# Altium PCB GEM_AFE_128.PcbDoc (part 8 of 18) (continued)
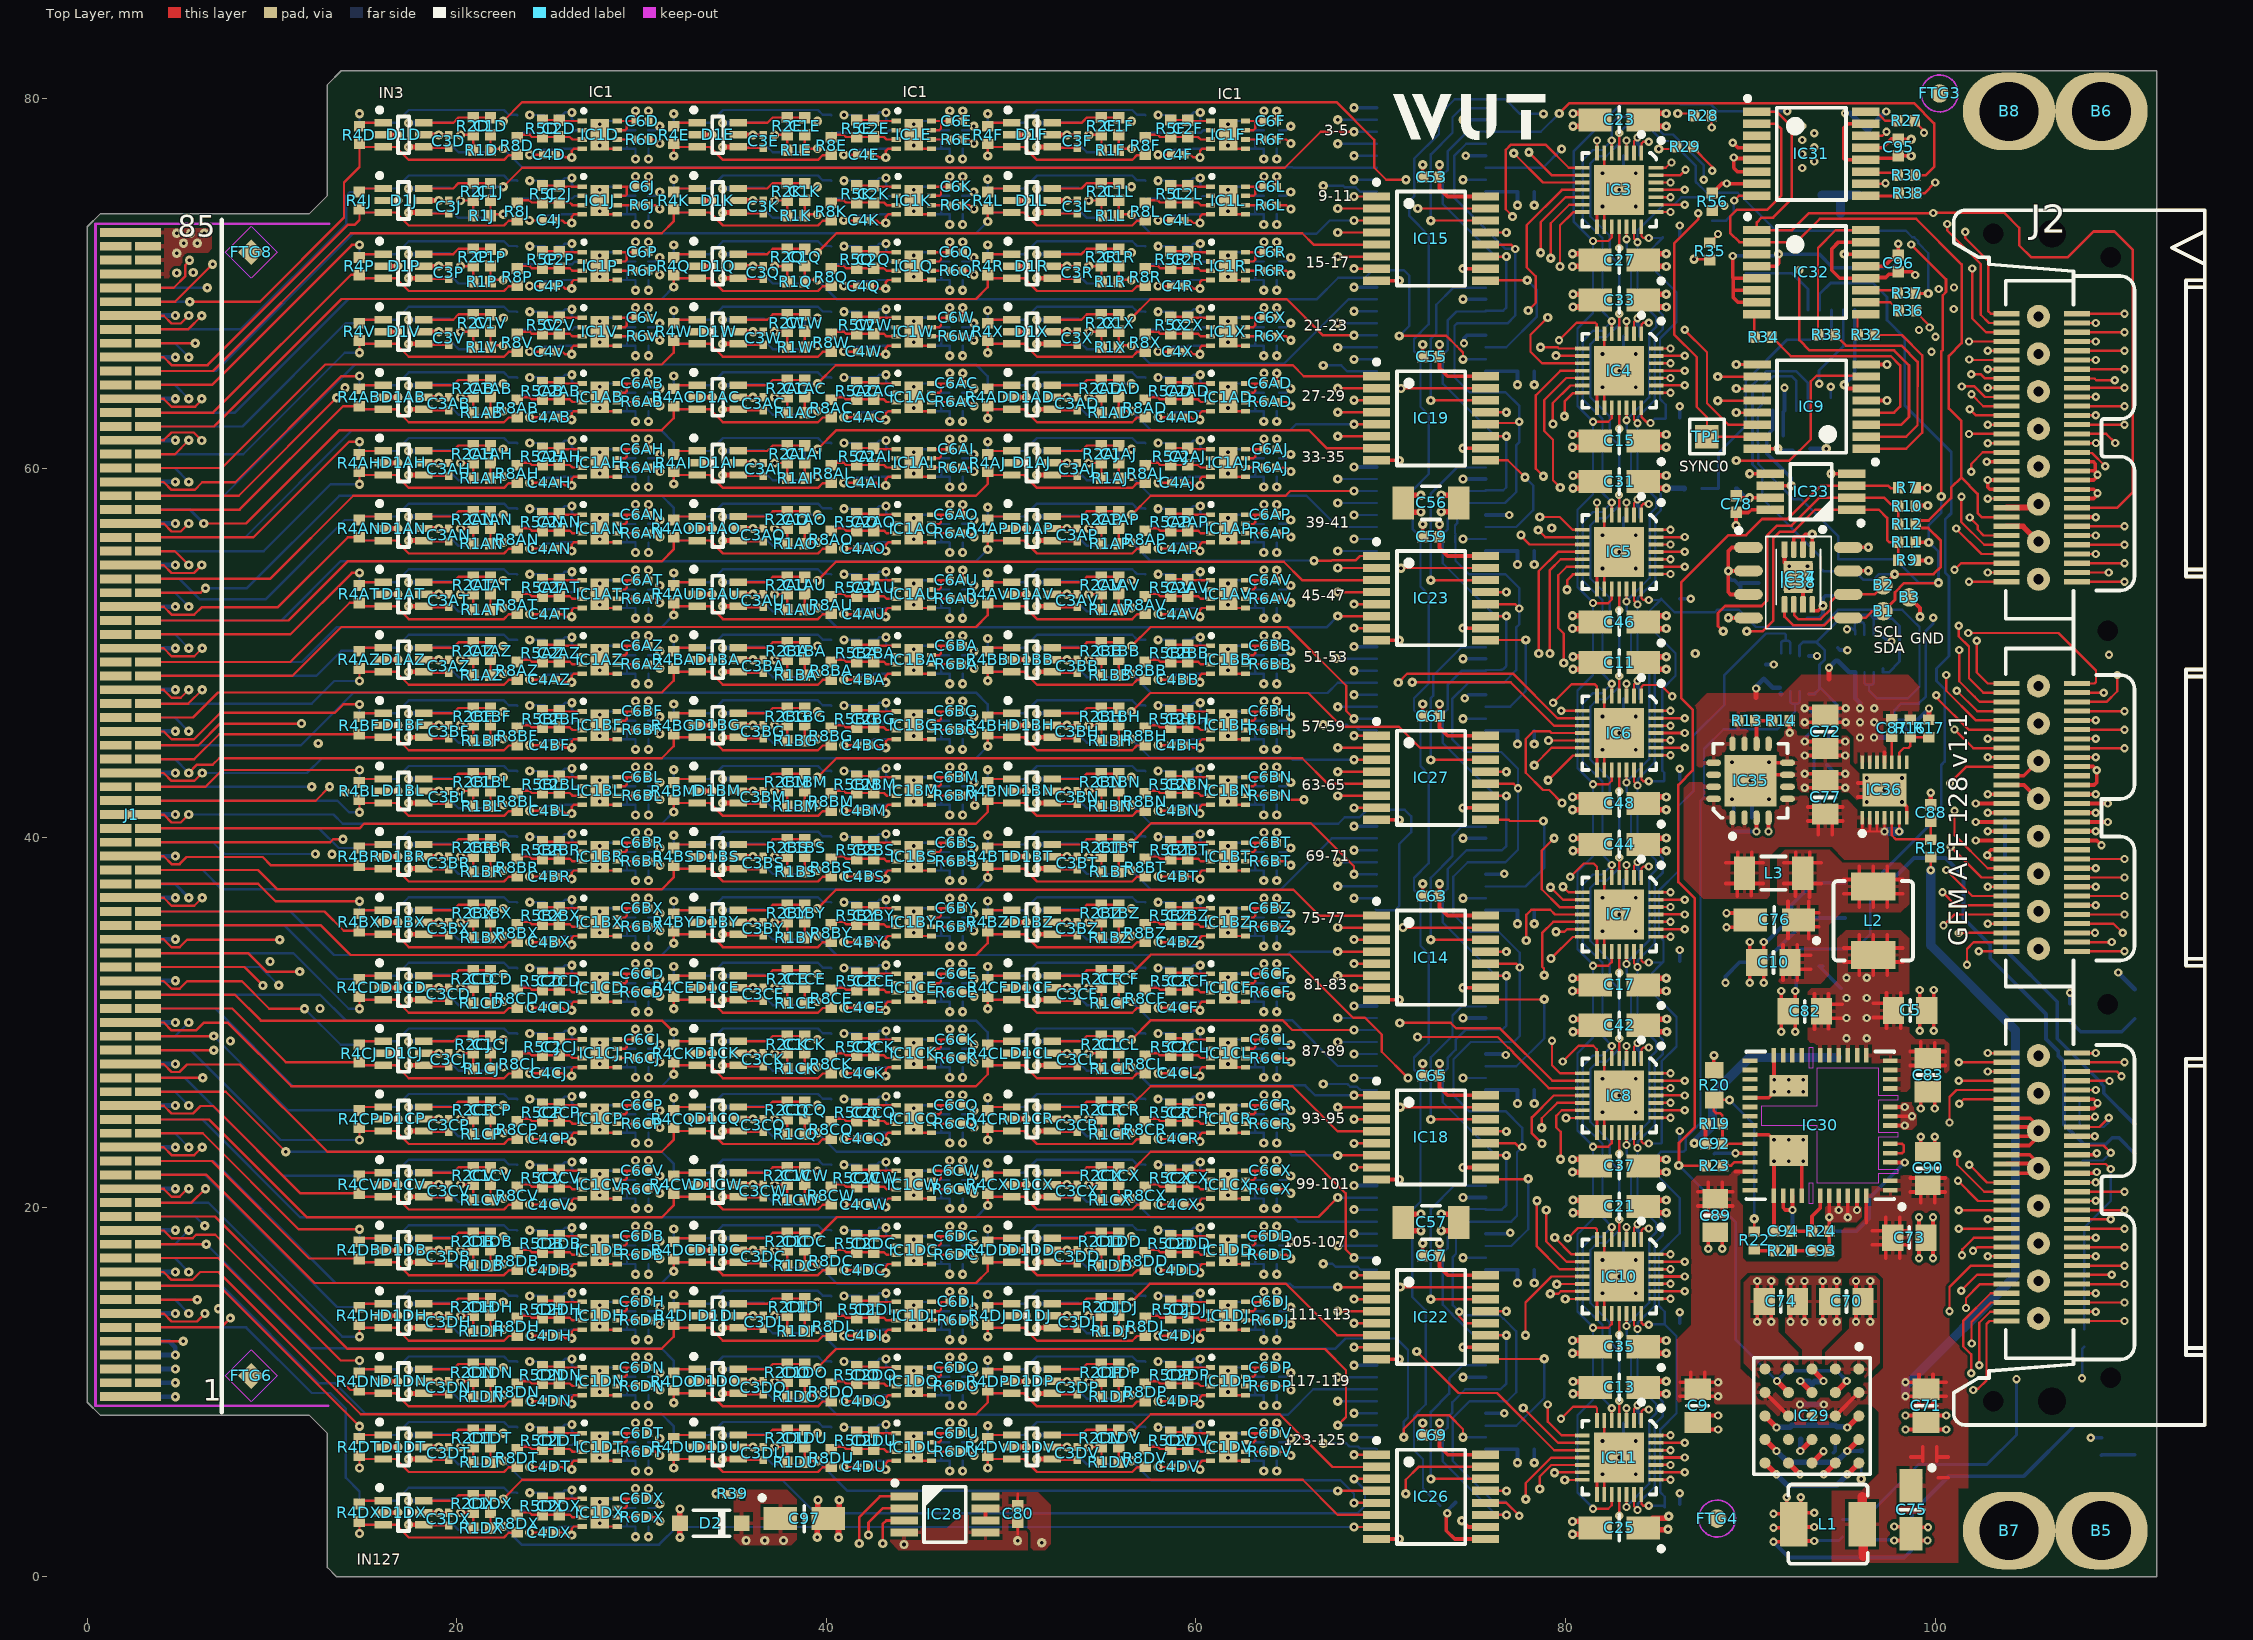
[diagram p0: Top Layer view]
## Nets (pads, with @x,y where several pads share a name; then routed paths per layer and width w, separated by ;. In a path a pad name is that pad's centre, name@x,y a point inside that pad or via, vN(x,y) a via of type N, cw(c..) or ccw(c..) an arc to the next point about the centre after c; other vN are vias at no path point) (continued)
  Top Layer w0.14: IC11.15@81.7,4.453 IC11.29@81.7,5.545 ; IC10.15@81.7,14.249 IC10.29@81.7,15.341 ; IC8.15@81.7,24.045 IC8.29@81.7,25.137 ; IC7.15@81.7,33.841 IC7.29@81.7,34.933 ; IC6.15@81.7,43.658 IC6.29@81.7,44.75 ; IC5.15@81.7,53.458 IC5.29@81.7,54.55 ; IC3.15@81.7,73.05 IC3.29@81.7,74.142 ; IC4.15@81.702,63.265 IC4.29@81.702,64.357 ; IC11.16@82.1,4.453 IC11.29@82.1,5.545 ; IC11.29@82.1,7.361 IC11.6@82.1,8.453 ; IC10.16@82.1,14.249 IC10.29@82.1,15.341 ; IC10.29@82.1,17.157 IC10.6@82.1,18.249 ; IC8.16@82.1,24.045 IC8.29@82.1,25.137 ; IC8.29@82.1,26.953 IC8.6@82.1,28.045 ; IC7.16@82.1,33.841 IC7.29@82.1,34.933 ; IC7.29@82.1,36.749 IC7.6@82.1,37.841 ; IC6.16@82.1,43.658 IC6.29@82.1,44.75 ; IC6.29@82.1,46.566 IC6.6@82.1,47.658 ; IC5.16@82.1,53.458 IC5.29@82.1,54.55 ; IC5.29@82.1,56.366 IC5.6@82.1,57.458 ; IC3.16@82.1,73.05 IC3.29@82.1,74.142 ; IC3.29@82.1,75.958 IC3.6@82.1,77.05 ; IC4.16@82.102,63.265 IC4.29@82.102,64.357 ; IC4.29@82.102,66.173 IC4.6@82.102,67.265
  Top Layer w0.2: IC22.8@69.773,11.777 v1(70.998,11.777) ; IC18.8@69.773,21.505 v1(70.998,21.505) ; IC14.8@69.773,31.232 v1(70.998,31.232) ; IC27.8@69.773,40.959 v1(70.998,40.959) ; IC23.8@69.773,50.686 v1(70.998,50.686) ; IC19.8@69.773,60.414 v1(70.998,60.414) ; IC15.8@69.773,70.141 v1(70.998,70.141) ; IC26.8@69.775,2.05 v1(71,2.05) ; C67.1@72.273,17.377 v1(72.273,18.052) ; C65.1@72.273,27.104 v1(72.273,27.779) ; C63.1@72.273,36.832 v1(72.273,37.507) ; C61.1@72.273,46.559 v1(72.273,47.234) ; C59.1@72.273,56.286 v1(72.273,56.961) ; C55.1@72.273,66.014 v1(72.273,66.689) ; C53.1@72.273,75.741 v1(72.273,76.416) ; C69.1@72.275,7.65 v1(72.275,8.325) ; C9.1@87.479,7.97 v2(88.254,7.97) ; C9.1@87.479,8.73 v2(88.254,8.73) ; v2(87.72,17.746) C89.1@87.72,18.521 ; R20.1@88.023,27.513 88.023,28.211 v1(88.028,28.217) ; v2(88.48,17.746) C89.1@88.48,18.521 ; v2(88.709,35.156) C76.2@89.484,35.156 ; v2(88.709,35.916) C76.2@89.484,35.916 ; v1@88.815,51.887 IC38.4@89.513,51.887 ; v2(89.048,71.469) 89.048,70.298 89.075,70.271 ; 89.075,69.637 89.087,69.625 IC32.6@90.35,69.625 ; C78.2@89.233,58.496 89.336,58.392 v1(89.959,58.392) IC33.7@91.083,58.392 ; v1(89.959,59.692) IC33.5@91.083,59.692 ; v2(89.97,32.146) C10.1@89.97,32.921 ; C10.1@89.97,33.579 v2(89.97,34.354) ; IC30.35@89.975,23.925 90.997,23.925 IC30.53@91.136,23.786 ; IC30.31@89.975,25.925 90.997,25.925 IC30.54@91.136,26.064 ; IC32.7@90.35,68.975 89.325,68.975 89.075,69.225 89.075,70.271 ; IC32.5@90.35,70.275 90.346,70.271 89.075,70.271 ; IC31.6@90.35,76.025 89.316,76.025 89.1,76.241 v2(89.1,76.8) 89.148,76.752 90.273,76.752 IC31.5@90.35,76.675 ; v2(90.73,32.146) C10.1@90.73,32.921 ; C10.1@90.73,33.579 v2(90.73,34.354) ; IC35.17@91.265,43.402 IC35.7@92.008,43.402 ; IC35.17@91.265,44.052 IC35.8@92.008,44.052 ; C94.1@91.275,18.7 IC30.42@91.275,20.625 IC30.53@91.275,22.481 ; IC30.54@91.275,26.899 IC30.26@91.275,28.225 ; v2(91.67,29.496) C82.1@91.67,30.271 ; C82.1@91.67,30.929 v2(91.67,31.704) ; IC34.4@91.848,55.599 91.848,54.874 IC37.9@92.162,54.56 ; v2(92.17,13.796) C74.1@92.17,14.571 ; C74.1@92.17,15.229 v2(92.17,16.004) ; v2(92.43,29.496) C82.1@92.43,30.271 ; C82.1@92.43,30.929 v2(92.43,31.704) ; IC37.9@92.598,54.099 92.848,53.849 IC34.7@92.848,52.599 ; IC30.45@92.775,20.625 92.775,22.225 ; v2(92.93,13.796) C74.1@92.93,14.571 ; C74.1@92.93,15.229 v2(92.93,16.004) ; v2(92.946,42.695) C77.1@93.721,42.695 ; v2(92.946,43.455) C77.1@93.721,43.455 ; v2(92.946,44.445) C72.1@93.721,44.445 ; v2(92.946,45.205) C72.1@93.721,45.205 ; v2(93.92,13.796) C70.1@93.92,14.571 ; C70.1@93.92,15.229 v2(93.92,16.004) ; v1(94.359,59.692) IC33.4@95.483,59.692 ; C77.1@94.379,42.695 v2(95.129,42.695) v2@95.154,42.695 ; C77.1@94.379,43.455 v2(95.129,43.455) v2@95.154,43.455 ; C72.1@94.379,44.445 v2(95.129,44.445) v2@95.154,44.445 ; C72.1@94.379,45.205 v2(95.129,45.205) v2@95.154,45.205 ; v2(94.68,13.796) C70.1@94.68,14.571 ; C70.1@94.68,15.229 v2(94.68,16.004) ; IC38.7@95.683,54.442 v1@96.381,54.442 ; 95.806,42.2 IC36.15@96.55,42.2 ; 95.806,42.956 IC36.15@96.55,42.956 ; IC32.13@96.25,70.925 97.265,70.925 97.858,71.518 C96.1@97.998,71.518 v2(97.998,72.131) ; IC31.13@96.25,77.325 97.163,77.325 97.638,77.8 C95.1@98,77.8 98.006,77.794 98.705,77.794 v1(98.71,77.788) ; IC9.5@96.265,63.65 v1(97.388,63.65) ; IC9.8@96.265,65.6 v1(97.388,65.6) ; v2(97.788,1.968) 98.349,1.968 C75.2@98.371,1.945 ; v2(97.788,2.728) 97.811,2.705 C75.2@98.371,2.705 ; v3(98.205,41.928) 98.455,41.678 IC36.7@98.455,41.078 ; v2(98.396,7.97) C71.1@99.171,7.97 ; v2(98.396,8.73) C71.1@99.171,8.73 ; B3.1@98.6,53 99.175,52.425 v1(99.175,51.954) ; C75.2@99.029,1.945 99.046,1.963 v2(99.588,1.963) ; C75.2@99.029,2.705 99.058,2.675 v2(99.608,2.675) ; v2(99.12,17.246) C73.1@99.12,18.021 ; C73.1@99.12,18.679 v2(99.12,19.454) ; v2(99.17,29.546) C5.1@99.17,30.321 ; C5.1@99.17,30.979 v2(99.17,31.754) ; v2(99.22,25.346) C83.1@99.22,26.121 ; C90.1@99.224,23.044 v2(99.224,23.819) ; C71.1@99.829,7.97 v2(100.604,7.97) ; C71.1@99.829,8.73 v2(100.604,8.73) ; v2(99.88,17.246) C73.1@99.88,18.021 ; C73.1@99.88,18.679 v2(99.88,19.454) ; v2(99.93,29.546) C5.1@99.93,30.321 ; C5.1@99.93,30.979 v2(99.93,31.754) ; v2(99.98,25.346) C83.1@99.98,26.121 ; C90.1@99.984,23.044 v2(99.984,23.819) ; v2(102.788,60.347) J2.33@103.861,60.347 ; J2.147@103.861,21.841 105.324,21.841 J2.200@105.588,22.105 105.439,22.254 105.331,22.362 103.882,22.362 J2.145@103.861,22.341 ; J2.143@103.861,22.841 105.116,22.841 105.703,22.254 J2.200@105.352,22.254 ; J2.141@103.861,23.341 105.092,23.341 105.588,23.837 J2.199@105.588,24.137 ; J2.139@103.861,23.841 105.292,23.841 J2.199@105.588,24.137 ; J2.137@103.861,24.341 105.384,24.341 J2.199@105.588,24.137 ; J2.135@103.861,24.841 103.885,24.817 105.151,24.817 105.588,24.381 J2.199@105.588,24.137 ; J2.83@103.861,42.844 104.811,42.844 105.547,42.108 J2.192@105.588,42.108 ; J2.81@103.861,43.344 104.792,43.344 J2.191@105.588,44.14 ; J2.39@103.861,58.847 102.957,58.847 102.847,58.957 v2(102.847,59.347) J2.37@103.861,59.347 ; J2.99@103.934,38.843 103.029,38.843 v2(102.823,39.049) 102.823,39.147 103.019,39.343 J2.97@103.934,39.343 ; J2.148@107.671,21.841 108.68,21.841 v2(108.75,21.911) ; J2.144@107.671,22.841 108.659,22.841 108.7,22.8 108.719,22.819 108.75,22.819 v2(108.75,22.919) ; J2.140@107.671,23.841 v2(108.641,23.841) ; J2.136@107.671,24.841 108.591,24.841 v2(108.65,24.9) ; J2.134@107.671,25.341 108.586,25.341 108.782,25.537 v2(108.782,25.635) 108.576,25.841 J2.132@107.671,25.841 ; J2.96@107.671,39.844 108.747,39.844 v2(109,39.591) ; J2.84@107.671,42.844 108.594,42.844 108.75,43 v2(108.75,43.65) 108.556,43.844 J2.80@107.671,43.844 ; J2.46@107.671,57.347 108.69,57.347 v2(108.695,57.342) ; J2.42@107.671,58.347 108.586,58.347 108.782,58.543 v2(108.782,58.641) 108.576,58.847 J2.40@107.671,58.847 ; J2.38@107.671,59.347 108.586,59.347 108.782,59.543 v2(108.782,59.641) ; J2.36@107.671,59.847 108.576,59.847 v2(108.782,59.641) ; J2.34@107.671,60.347 108.553,60.347 108.663,60.237 108.663,59.76 v2(108.782,59.641)
  Top Layer w0.25: v2(92.125,45.68) R14.1@92.125,46.328 ; R17.1@99.662,46.377 99.663,46.379 99.663,46.984 v2(99.665,46.986) ; C88.1@99.755,41.788 v2(99.755,42.436)
  Top Layer w0.254: D1DX.2@16.025,3.475 v1(16.825,3.475) ; D1DT.2@16.025,7.025 v1(16.825,7.025) ; D1DN.2@16.025,10.575 v1(16.825,10.575) ; D1DH.2@16.025,14.125 v1(16.825,14.125) ; D1DB.2@16.025,17.675 v1(16.825,17.675) ; D1CV.2@16.025,21.225 v1(16.825,21.225) ; D1CP.2@16.025,24.775 v1(16.825,24.775) ; D1CJ.2@16.025,28.325 v1(16.825,28.325) ; D1CD.2@16.025,31.875 v1(16.825,31.875) ; D1BX.2@16.025,35.425 v1(16.825,35.425) ; D1BR.2@16.025,38.975 v1(16.825,38.975) ; D1BL.2@16.025,42.525 v1(16.825,42.525) ; D1BF.2@16.025,46.075 v1(16.825,46.075) ; D1AZ.2@16.025,49.625 v1(16.825,49.625) ; D1AT.2@16.025,53.175 v1(16.825,53.175) ; D1AN.2@16.025,56.725 v1(16.825,56.725) ; D1AH.2@16.025,60.275 v1(16.825,60.275) ; D1AB.2@16.025,63.825 v1(16.825,63.825) ; D1V.2@16.025,67.375 v1(16.825,67.375) ; D1P.2@16.025,70.925 v1(16.825,70.925) ; D1J.2@16.025,74.475 v1(16.825,74.475) ; D1D.2@16.025,78.025 v1(16.825,78.025) ; v1@17.334,2.817 17.341,2.825 D1DX.4@18.225,2.825 ; v1@17.334,6.367 17.341,6.375 D1DT.4@18.225,6.375 ; v1@17.334,9.917 17.341,9.925 D1DN.4@18.225,9.925 ; v1@17.334,13.467 17.341,13.475 D1DH.4@18.225,13.475 ; v1@17.334,17.017 17.341,17.025 D1DB.4@18.225,17.025 ; v1@17.334,20.567 17.341,20.575 D1CV.4@18.225,20.575 ; v1@17.334,24.117 17.341,24.125 D1CP.4@18.225,24.125 ; v1@17.334,27.667 17.341,27.675 D1CJ.4@18.225,27.675 ; v1@17.334,31.217 17.341,31.225 D1CD.4@18.225,31.225 ; v1@17.334,34.767 17.341,34.775 D1BX.4@18.225,34.775 ; v1@17.334,38.317 17.341,38.325 D1BR.4@18.225,38.325 ; v1@17.334,41.867 17.341,41.875 D1BL.4@18.225,41.875 ; v1@17.334,45.417 17.341,45.425 D1BF.4@18.225,45.425 ; v1@17.334,48.967 17.341,48.975 D1AZ.4@18.225,48.975 ; v1@17.334,52.517 17.341,52.525 D1AT.4@18.225,52.525 ; v1@17.334,56.067 17.341,56.075 D1AN.4@18.225,56.075 ; v1@17.334,59.617 17.341,59.625 D1AH.4@18.225,59.625 ; v1@17.334,63.167 17.341,63.175 D1AB.4@18.225,63.175 ; v1@17.334,66.717 17.341,66.725 D1V.4@18.225,66.725 ; v1@17.334,70.267 17.341,70.275 D1P.4@18.225,70.275 ; v1@17.334,73.817 17.341,73.825 D1J.4@18.225,73.825 ; v1@17.334,77.367 17.341,77.375 D1D.4@18.225,77.375 ; D1DU.2@33.025,7.025 v1(33.825,7.025) ; D1DO.2@33.025,10.575 v1(33.825,10.575) ; D1DI.2@33.025,14.125 v1(33.825,14.125) ; D1DC.2@33.025,17.675 v1(33.825,17.675) ; D1CW.2@33.025,21.225 v1(33.825,21.225) ; D1CQ.2@33.025,24.775 v1(33.825,24.775) ; D1CK.2@33.025,28.325 v1(33.825,28.325) ; D1CE.2@33.025,31.875 v1(33.825,31.875) ; D1BY.2@33.025,35.425 v1(33.825,35.425) ; D1BS.2@33.025,38.975 v1(33.825,38.975) ; D1BM.2@33.025,42.525 v1(33.825,42.525) ; D1BG.2@33.025,46.075 v1(33.825,46.075) ; D1BA.2@33.025,49.625 v1(33.825,49.625) ; D1AU.2@33.025,53.175 v1(33.825,53.175) ; D1AO.2@33.025,56.725 v1(33.825,56.725) ; D1AI.2@33.025,60.275 v1(33.825,60.275) ; D1AC.2@33.025,63.825 v1(33.825,63.825) ; D1W.2@33.025,67.375 v1(33.825,67.375) ; D1Q.2@33.025,70.925 v1(33.825,70.925) ; D1K.2@33.025,74.475 v1(33.825,74.475) ; D1E.2@33.025,78.025 v1(33.825,78.025) ; v1@34.334,6.367 34.341,6.375 D1DU.4@35.225,6.375 ; v1@34.334,9.917 34.341,9.925 D1DO.4@35.225,9.925 ; v1@34.334,13.467 34.341,13.475 D1DI.4@35.225,13.475 ; v1@34.334,17.017 34.341,17.025 D1DC.4@35.225,17.025 ; v1@34.334,20.567 34.341,20.575 D1CW.4@35.225,20.575 ; v1@34.334,24.117 34.341,24.125 D1CQ.4@35.225,24.125 ; v1@34.334,27.667 34.341,27.675 D1CK.4@35.225,27.675 ; v1@34.334,31.217 34.341,31.225 D1CE.4@35.225,31.225 ; v1@34.334,34.767 34.341,34.775 D1BY.4@35.225,34.775 ; v1@34.334,38.317 34.341,38.325 D1BS.4@35.225,38.325 ; v1@34.334,41.867 34.341,41.875 D1BM.4@35.225,41.875 ; v1@34.334,45.417 34.341,45.425 D1BG.4@35.225,45.425 ; v1@34.334,48.967 34.341,48.975 D1BA.4@35.225,48.975 ; v1@34.334,52.517 34.341,52.525 D1AU.4@35.225,52.525 ; v1@34.334,56.067 34.341,56.075 D1AO.4@35.225,56.075 ; v1@34.334,59.617 34.341,59.625 D1AI.4@35.225,59.625 ; v1@34.334,63.167 34.341,63.175 D1AC.4@35.225,63.175 ; v1@34.334,66.717 34.341,66.725 D1W.4@35.225,66.725 ; v1@34.334,70.267 34.341,70.275 D1Q.4@35.225,70.275 ; v1@34.334,73.817 34.341,73.825 D1K.4@35.225,73.825 ; v1@34.334,77.367 34.341,77.375 D1E.4@35.225,77.375 ; D1DV.2@50.025,7.025 v1(50.825,7.025) ; D1DP.2@50.025,10.575 v1(50.825,10.575) ; D1DJ.2@50.025,14.125 v1(50.825,14.125) ; D1DD.2@50.025,17.675 v1(50.825,17.675) ; D1CX.2@50.025,21.225 v1(50.825,21.225) ; D1CR.2@50.025,24.775 v1(50.825,24.775) ; D1CL.2@50.025,28.325 v1(50.825,28.325) ; D1CF.2@50.025,31.875 v1(50.825,31.875) ; D1BZ.2@50.025,35.425 v1(50.825,35.425) ; D1BT.2@50.025,38.975 v1(50.825,38.975) ; D1BN.2@50.025,42.525 v1(50.825,42.525) ; D1BH.2@50.025,46.075 v1(50.825,46.075) ; D1BB.2@50.025,49.625 v1(50.825,49.625) ; D1AV.2@50.025,53.175 v1(50.825,53.175) ; D1AP.2@50.025,56.725 v1(50.825,56.725) ; D1AJ.2@50.025,60.275 v1(50.825,60.275) ; D1AD.2@50.025,63.825 v1(50.825,63.825) ; D1X.2@50.025,67.375 v1(50.825,67.375) ; D1R.2@50.025,70.925 v1(50.825,70.925) ; D1L.2@50.025,74.475 v1(50.825,74.475) ; D1F.2@50.025,78.025 v1(50.825,78.025) ; v1@51.334,6.367 51.341,6.375 D1DV.4@52.225,6.375 ; v1@51.334,9.917 51.341,9.925 D1DP.4@52.225,9.925 ; v1@51.334,13.467 51.341,13.475 D1DJ.4@52.225,13.475 ; v1@51.334,17.017 51.341,17.025 D1DD.4@52.225,17.025 ; v1@51.334,20.567 51.341,20.575 D1CX.4@52.225,20.575 ; v1@51.334,24.117 51.341,24.125 D1CR.4@52.225,24.125 ; v1@51.334,27.667 51.341,27.675 D1CL.4@52.225,27.675 ; v1@51.334,31.217 51.341,31.225 D1CF.4@52.225,31.225 ; v1@51.334,34.767 51.341,34.775 D1BZ.4@52.225,34.775 ; v1@51.334,38.317 51.341,38.325 D1BT.4@52.225,38.325 ; v1@51.334,41.867 51.341,41.875 D1BN.4@52.225,41.875 ; v1@51.334,45.417 51.341,45.425 D1BH.4@52.225,45.425 ; v1@51.334,48.967 51.341,48.975 D1BB.4@52.225,48.975 ; v1@51.334,52.517 51.341,52.525 D1AV.4@52.225,52.525 ; v1@51.334,56.067 51.341,56.075 D1AP.4@52.225,56.075 ; v1@51.334,59.617 51.341,59.625 D1AJ.4@52.225,59.625 ; v1@51.334,63.167 51.341,63.175 D1AD.4@52.225,63.175 ; v1@51.334,66.717 51.341,66.725 D1X.4@52.225,66.725 ; v1@51.334,70.267 51.341,70.275 D1R.4@52.225,70.275 ; v1@51.334,73.817 51.341,73.825 D1L.4@52.225,73.825 ; v1@51.334,77.367 51.341,77.375 D1F.4@52.225,77.375
  Top Layer w0.3: v1(32.074,2.135) D2.2@32.074,2.656 ; D2.2@32.076,3.144 v1(32.076,3.665) ; v1@39.508,2.14 C97.2@39.508,2.688 ; C97.2@39.542,3.626 v1@39.542,4.174 ; v1@40.658,2.126 C97.2@40.658,2.674 ; C97.2@40.692,3.612 v1@40.692,4.16 ; C56.1@71.648,57.617 v1(72.17,57.617) ; C56.1@71.648,57.631 71.223,58.056 C56.1@71.223,58.113 C56.1@71.648,58.538 ; C56.1@71.648,58.523 v1(72.17,58.523) ; v1(72.17,18.722) 71.648,18.722 71.223,19.147 C57.1@71.223,19.175 71.223,19.204 71.648,19.629 v1(72.17,19.629) ; v1(80.374,70.907) C27.2@80.895,70.907 ; v1(80.374,71.595) C27.2@80.895,71.595 ; v1(80.376,51.314) C46.2@80.897,51.314 ; v1(80.376,52.002) C46.2@80.897,52.002 ; v1(80.376,2.309) C25.2@80.898,2.309 ; v1(80.376,2.997) C25.2@80.898,2.997 ; v1(80.376,12.105) C35.2@80.898,12.105 ; v1(80.376,12.793) C35.2@80.898,12.793 ; v1(80.376,21.901) C37.2@80.898,21.901 ; v1(80.376,22.589) C37.2@80.898,22.589 ; v1(80.376,31.697) C17.2@80.898,31.697 ; v1(80.376,32.385) C17.2@80.898,32.385 ; v1(80.376,41.514) C48.2@80.898,41.514 ; v1(80.376,42.202) C48.2@80.898,42.202 ; v1(80.378,61.121) C15.2@80.9,61.121 ; v1(80.378,61.809) C15.2@80.9,61.809 ; v1(80.399,78.499) C23.2@80.92,78.499 ; v1(80.399,79.187) C23.2@80.92,79.187 ; v1(80.401,9.9) C13.2@80.923,9.9 ; v1(80.401,10.564) C13.2@80.923,10.564 ; v1(80.401,19.696) C21.2@80.923,19.696 ; v1(80.401,20.385) C21.2@80.923,20.385 ; v1(80.401,29.492) C42.2@80.923,29.492 ; v1(80.401,30.181) C42.2@80.923,30.181 ; v1(80.401,39.288) C44.2@80.923,39.288 ; v1(80.401,39.977) C44.2@80.923,39.977 ; v1(80.401,49.106) C11.2@80.923,49.106 ; v1(80.401,49.794) C11.2@80.923,49.794 ; v1(80.401,58.905) C31.2@80.922,58.905 ; v1(80.401,59.594) C31.2@80.922,59.594 ; v1(80.403,68.712) C33.2@80.925,68.712 ; v1(80.403,69.401) C33.2@80.925,69.401 ; IC29.D5@92.06,6.165 v2(92.682,5.542) ; v2(92.707,10.598) IC29.C2@93.33,9.975 ; IC29.C5@93.33,6.165 v2(93.953,6.788) ; IC29.C1@93.33,11.245 v2@93.952,10.622 ; v2(93.977,5.542) IC29.B5@94.6,6.165 ; J2.47@103.861,56.847 104.756,56.847 J2.187@105.588,56.015 ; J2.43@103.878,57.864 105.405,57.864 J2.186@105.588,58.047